# Altium PCB PCB.PcbDoc (part 3 of 4)
Units mm, origin at the board's own origin, x right, y up, seen from the top; angles counter-clockwise.
Board outline 90.6 x 67.8 mm, 6 copper layers (Component Side, GND, Inner Layer 1, V+, V-, Bottom Side), stack 1.613 mm thick; 407 components, 232 nets, 1320 pads, 392 vias.
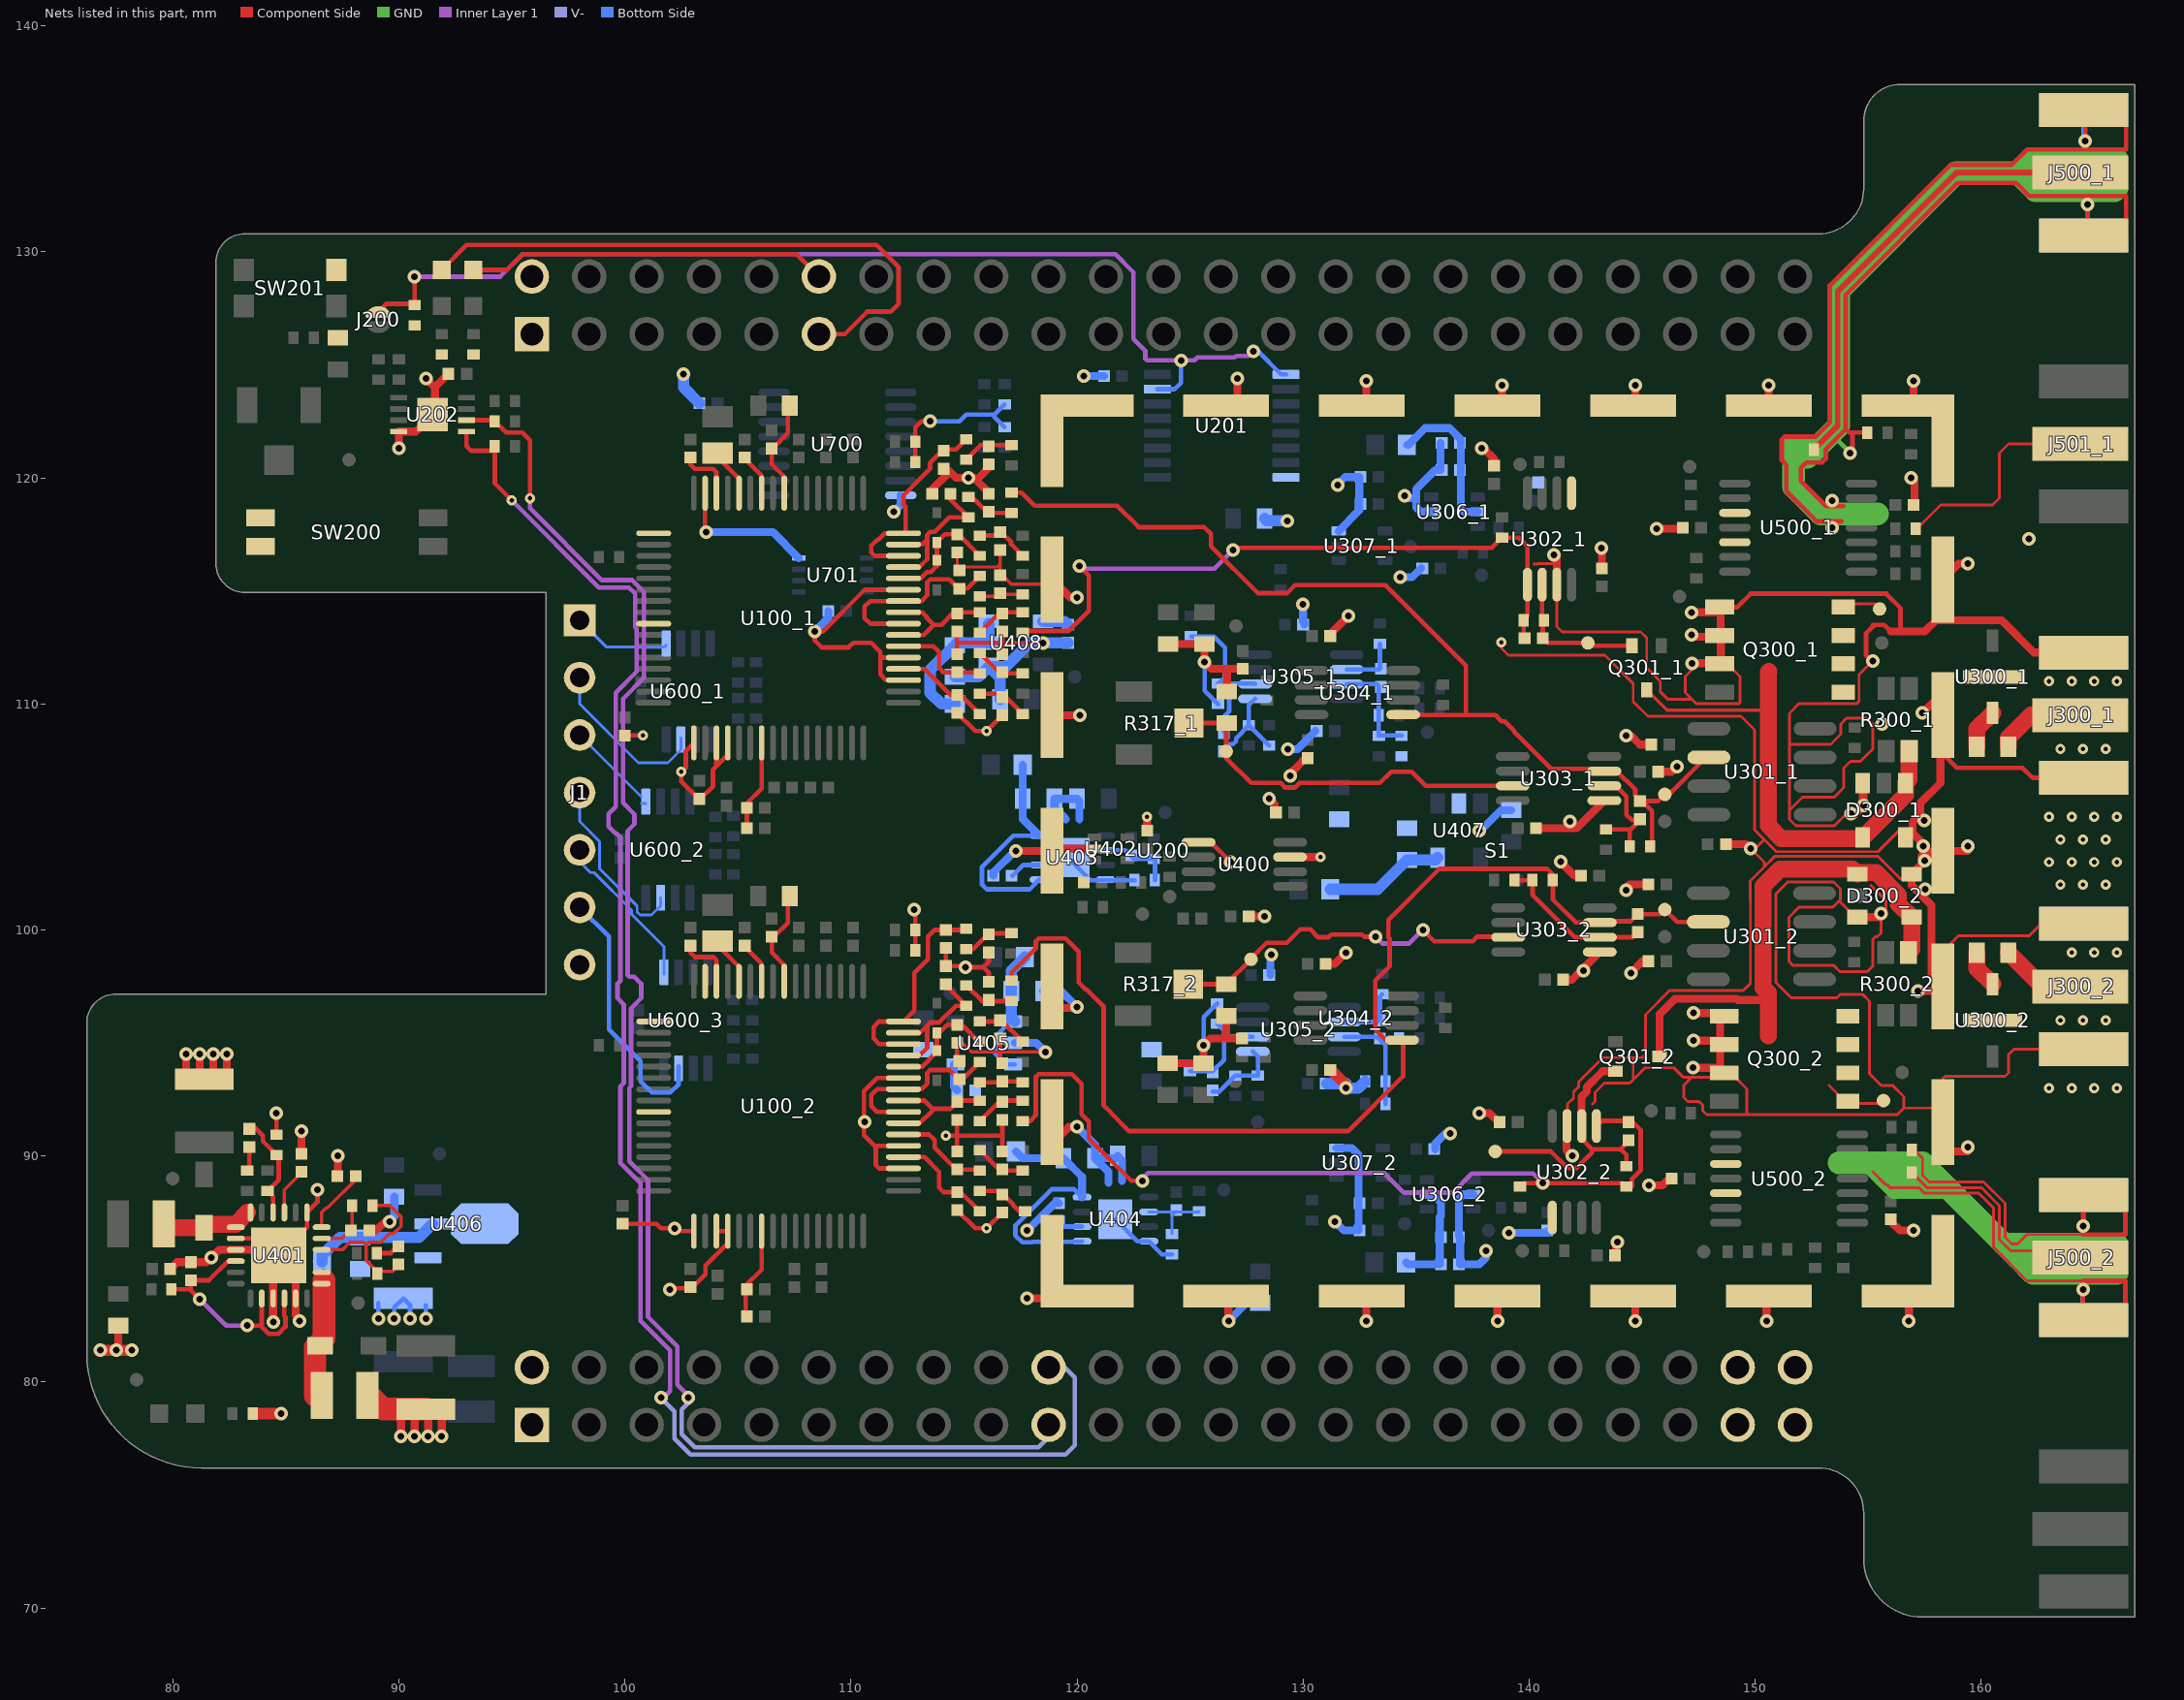
[diagram p7: the nets of this part, all layers, seen from the top]

## Via types
v1: diameter 0.6, hole 0.3, Component Side to Bottom Side, tented both sides, 306 vias
v2: diameter 0.45, hole 0.2, Component Side to Bottom Side, tented both sides, 85 vias
v3: diameter 0.6, hole 0.2, Component Side to Bottom Side, tented both sides, 1 vias

## Nets (pads, with @x,y where several pads share a name; then routed paths per layer and width w, separated by ;. In a path a pad name is that pad's centre, name@x,y a point inside that pad or via, vN(x,y) a via of type N, cw(c..) or ccw(c..) an arc to the next point about the centre after c; other vN are vias at no path point) (continued)
GND: C106_1.1 C106_2.1 C107_1.1 C107_2.1 C108_1.1 C108_2.1 C109_1.1 C109_2.1 C110_1.1 C110_2.1 C111_1.1 C111_2.1 C112_1.1 C112_2.1 C113_1.1 C113_2.1 C114_1.1 C114_2.1 C115_1.1 C115_2.1 C116_1.1 C116_2.1 C117_1.1 C117_2.1 C118_1.1 C118_2.1 C119_1.1 C119_2.1 C120_1.1 C120_2.1 C121_1.1 C121_2.1 C200.1 C201.1 C300_1.1 C300_2.1 C301_1.2 C301_2.2 C302_1.1 C302_2.1 C303_1.2 C303_2.2 C304_1.1 C304_2.1 C305_1.2 C305_2.2 C306_1.1 C306_2.1 C307_1.2 C307_2.2 C308_1.1 C308_2.1 C309_1.2 C309_2.2 C312_1.1 C312_2.1 C315_1.1 C315_2.1 C316_1.2 C316_2.2 C317_1.1 C317_2.1 C318_1.2 C318_2.2 C319_1.1 C319_2.1 C320_1.1 C320_2.1 C321_1.1 C321_2.1 C322_1.1 C322_2.1 C323_1.1 C323_2.1 C324_1.1 C324_2.1 C325_1.1 C325_2.1 C400.1 C401.2 C402.1 C403.1 C404.2 C405.1 C406.1 C407.1 C408.1 C409.1 C410.1 C411.1 C414.2 C415.2 C417.1 C418.1 C419.1 C420.1 C421.1 C422.1 C423.1 C424.1 C425.1 C426.1 C427.1 C428.1 C431.1 C432.1 C433.1 C434.1 C500_1.1 C500_2.1 C501_1.2 C501_2.2 C700.1 C701.1 D300_1.3 D300_1.5 D300_2.3 D300_2.5 J1.7 J300_1.2 J300_1.3 J300_1.4 J300_1.5 J300_2.2 J300_2.3 J300_2.4 J300_2.5 L402.2 Q300_1.1 Q300_1.2 Q300_1.3 Q300_2.1 Q300_2.2 Q300_2.3 R114_1.1 R114_2.1 R115_1.1 R115_2.1 R200.1 R206.1 R207.1 R208.1 R310_1.1 R310_2.1 R311_1.2 R311_2.2 R406.1 R411.1 R414.1 R702.1 R703.1 S1.1 SW200.1 SW200.2 SW201.3 U100_1.3 U100_1.5 U100_1.11 U100_1.31 U100_1.33 U100_1.41 U100_1.49 U100_1.51 U100_1.52 U100_2.3 U100_2.5 U100_2.11 U100_2.31 U100_2.33 U100_2.41 U100_2.49 U100_2.51 U100_2.52 U200.801 U200.802 U200.901 U200.902 U200.943 U200.944 U200.945 U200.946 U201.8 U202.4 U202.9 U300_1.2 U300_2.2 U302_1.3 U302_1.5 U302_2.3 U302_2.5 U303_1.5 U303_2.5 U306_1.2 U306_2.2 U307_1.3 U307_2.3 U400.3 U400.5 U401.2 U401.3 U401.9 U401.11 U401.19 U401.25 U402.2 U403.4 U403.9 U404.4 U404.9 U405.2 U406.1 U407.2 U408.1 U500_1.10 U500_1.12 U500_2.10 U500_2.12 U700.8 U701.4 | length 507.8
  Component Side w0.125: C119_1.1@114.7,116.7 114.7,116 C118_1.1@114.8,115.9 114.8,116.063 116.463,116.063 116.6,116.2 ; v2(138.775,112.725) 138.775,112.45 139.075,112.15 143.35,112.15 144.6,110.9 144.6,110.1 145.25,109.45 149.375,109.45 149.975,108.85 149.975,104.425 150.4,104 ; 140.213,116.2 140.225,116.187 140.379,116.187 140.404,116.213 141.112,116.213 141.225,116.1 ; U302_1.3@141.225,115.275 141.225,113.425 141.462,113.188 144.937,113.188 145.2,112.925 145.2,111.6 145.8,111 145.8,110.538 146.125,110.212 147.188,110.212 ; U302_2.3@141.675,91.325 141.7,91.35 141.7,92.3 141.962,92.562 141.962,92.837 142.188,93.063 142.188,93.281 143.257,94.35 144.6,94.35 ; 142.8,92.3 142.913,92.413 142.913,92.813 143.325,93.225 144.45,93.225 144.6,93.375 ; v1(147.2,111.8) 147.2,111.716 147.3,111.616 146.9,111.216 146.9,110.5 147.188,110.212 ; Q300_1.3@148.475,111.765 148.485,111.765 148.772,111.765 149.325,111.212 149.325,110.05 149.278,110.003 147.397,110.003 147.188,110.212 ; v1(154.247,105.15) 154.044,105.15 153.502,104.607 151.798,104.607 151.512,104.893 151.512,105.297 ; D300_2.3@154.525,100.568 154.425,100.568 153.713,101.281 ; 155.112,101.971 155.178,101.906 155.188,101.906 155.775,101.318 155.775,100.918 v1(155.575,100.718) 155.575,99.875 155.394,99.694 155.309,99.694 155.199,99.585 155.199,98.399 154.956,98.156 153.744,98.156 153.475,98.425 151.675,98.425 151.488,98.612 151.488,100.555 151.933,101 153.432,101 153.713,101.281 ; v1@155.186,111.886 154.592,111.293 154.592,110.112 154.483,110.003 151.928,110.003 151.512,109.588 151.512,108.212 ; v1(155.6,109.1) 155.2,109.1 ; D300_2.5@156.925,102.468 156.721,102.264 156.421,102.264 155.434,103.25 150.866,103.25 150.4,102.784 ; D300_1.5@156.96,104.282 156.755,104.486 156.455,104.486 155.431,103.462 150.938,103.462 150.4,104 ; S1.1@158.1,92.7 S1.1@158.3,92.5 ; S1.1@158.3,91.5 S1.1@158.3,92.5 ; S1.1@158.3,97.5 158.3,99.05 159,99.75 162.125,99.75 162.645,100.27 164.2,100.27 J300_2.5@164.525,100.27 ; J300_2.2@164.525,94.73 161.455,94.73 161.2,94.475 161.2,93.675 161.05,93.525 158.4,93.525 158.3,93.425 S1.1@158.3,92.5 ; 144.6,93.375 145.125,93.9 146.4,93.9 146.812,93.488 147.198,93.488 ; 144.6,93.375 144.6,94.35 ; 144.6,94.35 145,94.35 145.15,94.5 145.15,96.25 146.226,97.326 149.483,97.326 149.788,97.631 149.788,101.339 149.783,101.344 149.783,102.167 150.4,102.784 ; 147.198,93.488 149.106,93.488 149.623,92.971 149.623,91.833 149.625,91.831 ; 147.198,93.488 146.85,93.139 146.85,92.575 147.013,92.412 147.513,92.412 147.675,92.25 147.675,92 147.844,91.831 149.625,91.831 ; 149.625,91.831 156.288,91.831 156.575,92.118 ; 150.4,102.784 150.4,103 v1(149.8,103.6) 150,103.6 150.4,104 ; 151.512,105.297 152.093,105.877 153.502,105.877 153.788,106.163 153.788,106.175 153.912,106.3 153.912,107.162 154.213,107.463 154.656,107.463 155.2,108.007 155.2,109.1 ; 151.512,105.297 151.512,108.212 ; 151.512,108.212 153.338,108.212 153.788,108.662 153.788,109.113 154.037,109.363 154.937,109.363 155.2,109.1 ; 153.713,101.281 153.763,101.331 153.763,101.825 153.463,102.125 151.438,102.125 150.913,101.6 150.913,97.676 151.588,97.001 153.612,97.001 153.767,97.156 154.744,97.156 155.05,96.85 155.05,93.643 155.568,93.125 156.075,93.125 156.575,92.625 156.575,92.118 ; 156.575,92.118 157.918,92.118 S1.1@158.3,92.5
  Component Side w0.15: C119_2.1@114.7,95 114.932,95 115.332,94.6 116.6,94.6 v1(118.6,94.6) ; C112_1.1@116.6,116.8 116.6,116.2 C111_1.1@116.6,115.7 116.7,115.7 117.1,115.3 118.7,115.3 S1.1@118.9,115.5 ; 117.232,112.7 v1(118.5,112.7)
  Component Side w0.2: U401.2@82.64,86.35 U401.2@82.79,86.35 83.94,86.35 84.44,85.85 U401.25@84.69,85.6 85.94,86.85 U401.19@85.94,87.5 86.4,87.96 v1(86.4,88.5) ; R406.1@84.59,90.95 v1(84.59,91.89) ; C107_2.1@99.9,87 101.4,87 101.6,86.8 v1(102.2,86.8) 102.325,86.675 U100_2.49@103.05,86.675 ; C107_1.1@100,108.6 100.1,108.5 100.2,108.6 v2(100.8,108.6) ; U100_2.41@101.275,91.95 U100_2.41@101.45,91.95 ; U100_1.41@101.275,113.55 U100_1.41@101.45,113.55 ; v1(102,84.1) 102.05,84.15 102.95,84.15 103.565,84.765 103.565,85.153 103.697,85.285 103.701,85.285 104.55,86.134 U100_2.52@104.55,86.675 U100_2.51@104.05,86.675 ; U100_1.49@103.05,108.275 102.7,107.925 102.7,107.2 v2(102.5,107) 102.5,106.562 103.262,105.8 C106_1.1@103.3,105.8 103.338,105.8 103.9,106.362 103.9,107.1 104.05,107.25 ; U100_1.31@103.55,119.325 103.55,117.65 v1(103.6,117.6) ; U100_1.51@104.05,108.275 104.05,107.25 ; U100_1.52@104.55,108.275 104.55,107.75 104.05,107.25 ; v1(110.6,91.5) v1@110.575,91.5 ; U100_2.3@112.325,89.45 111.25,89.45 111.1,89.6 111.1,90.4 111.05,90.45 ; U100_2.5@112.325,90.45 111.05,90.45 ; U100_2.11@112.325,93.45 111.15,93.45 110.575,92.875 v1@110.575,91.5 ; U100_1.3@112.325,111.05 111.55,111.05 111.3,111.3 111.3,112.1 ; U100_1.5@112.325,112.05 111.35,112.05 111.3,112.1 ; U100_1.11@112.325,115.05 110.608,115.05 108.758,113.2 v1(108.4,113.2) 108.4,112.8 108.7,112.5 109.9,112.5 110.1,112.7 110.9,112.7 111.3,112.3 111.3,112.1 ; v1(112.8,100.9) 112.85,100.85 R115_2.1@112.85,100 R114_2.1@112.85,99.1 ; R114_1.1@112.85,120.7 R115_1.1@112.85,121.6 112.85,122.25 113.1,122.5 v1(113.5,122.5) ; v2(114.2,90.9) 114.5,90.9 114.7,90.9 ; C121_2.1@114.2,99.2 C120_2.1@114.2,98.4 115.025,98.4 v1(115.075,98.35) 115.85,98.35 ; C115_2.1@114.7,87.6 115.5,86.8 v2(116,86.8) C108_2.1@116.7,87.5 ; C116_2.1@114.7,90.2 114.7,90.9 ; C117_2.1@114.7,91.6 114.7,90.9 ; C118_2.1@114.7,94 C118_2.1@114.7,94.2 ; C119_2.1@114.7,95 114.7,94.3 C118_2.1@114.8,94.2 ; C115_1.1@114.7,109.6 115.5,108.8 v2(116,108.8) C108_1.1@116.7,109.5 ; C116_1.1@114.7,112.2 114.7,112.7 ; C117_1.1@114.7,113.2 114.7,112.7 ; C113_2.1@116.1,97.7 116.1,98.1 115.85,98.35 ; C114_2.1@116.1,99 116.1,98.6 115.85,98.35 ; C112_2.1@116.6,95.2 116.6,94.6 116.6,94.2 C111_2.1@116.7,94.1 ; C109_2.1@116.7,90.2 116.7,90.9 ; C110_2.1@116.7,91.6 116.7,90.9 ; C109_1.1@116.7,112.2 116.7,112.7 ; C110_1.1@116.7,113.2 116.7,112.7 ; 117.232,112.7 116.7,112.7 ; U400.5@125.375,103.875 125.925,103.875 v1(126.8,103) ; Q300_1.1@148.43,114.28 148.438,114.28 148.475,114.28 149.205,114.28 149.8,114.875 155.8,114.875 156.425,114.25 156.425,113.2 ; v1(155.2,111.9) 155.186,111.886 154.9,112.172 154.9,113.1 155.2,113.4 155.2,113.5 155.7,113.5 156,113.2 156.025,113.225 ; S1.1@158.3,109.5 158.3,107.8 158.925,107.175 161.825,107.175 162.27,106.73 J300_1.2@164.525,106.73 ; v1@110.575,91.5 110.575,90.925 111.05,90.45 ; 114.7,90.9 116.7,90.9 ; 114.7,112.7 116.7,112.7
  Component Side w0.35: v1(77.5,81.4) 77.59,81.49 C402.1@77.59,82.5 C402.1@77.7,82.39 ; C403.1@79.89,85 80.19,85.3 C405.1@80.8,85.3 81.5,85.3 v1(81.7,85.5) 82.05,85.85 U401.3@82.79,85.85 U401.25@84.44,85.85 ; C415.2@80.6,93.81 v1(80.6,94.5) ; C415.2@81.2,93.81 v1(81.2,94.5) ; C415.2@81.8,93.81 v1(81.8,94.5) ; C415.2@82.4,93.81 v1(82.4,94.5) ; v1(84.46,82.66) 84.44,82.66 U401.9@84.44,83.7 84.44,85.35 U401.25@84.69,85.6 85.44,84.85 U401.11@85.44,83.7 85.44,82.95 85.49,82.9 85.6,82.79 v1(85.6,82.7) ; C410.1@85.69,90.15 85.7,90.16 v1(85.7,91.1) ; C411.1@87.24,89.1 87.29,89.15 87.2,89.24 87.3,89.34 v1(87.3,90) ; C408.1@88.74,86.7 89,86.7 89.4,87.1 v1@89.41,87.1 ; 89.309,87 v1@89.41,87.1 ; v1(89.6,87.1) v1@89.41,87.1 ; C414.2@90,78.39 90.2,78.59 C414.2@90.19,78.6 ; v1(90,121.3) U202.4@90,122.05 90.75,122.05 U202.9@91.5,122.8 91.6,122.9 91.6,124 ; v1(90.1,77.6) C414.2@90.1,78.39 ; v1(90.7,77.6) 90.7,78.31 C414.2@90.99,78.6 ; v1(91.2,124.4) 91.6,124 ; v1(91.3,77.6) 91.3,78.5 91.4,78.6 C414.2@91.79,78.6 ; v1(91.9,77.6) 91.9,78.3 92,78.4 91.9,78.5 C414.2@92.1,78.7 ; C201.1@92.2,124.6 91.6,124 ; C120_1.1@113.6,119.3 113.6,119.5 114.325,120.225 114.425,120.225 ; C121_1.1@114.1,120.35 114.3,120.35 114.425,120.225 ; C113_1.1@116.1,119.35 115.55,119.9 ; C114_1.1@116.1,120.55 116.1,120.45 115.55,119.9 ; v1(117.3,103.5) S1.1@118.9,103.5 119,103.6 U402.2@120.775,103.6 ; v1(117.8,83.7) S1.1@118.8,83.7 ; S1.1@118.7,83.8 S1.1@118.8,83.7 ; S1.1@118.7,91.3 S1.1@118.8,91.4 ; S1.1@118.9,109.5 v1(120.125,109.5) ; S1.1@118.9,115.5 119.7,114.7 v1(120,114.7) ; S1.1@119.1,96.55 v1@120,96.55 ; S1.1@119.2,89.8 119.2,90.851 119.649,91.3 v1(120,91.3) ; S1.1@119.8,83.8 119.7,83.7 S1.1@119.1,83.7 ; C409.1@123.1,104.4 v2(123.1,105) ; C308_2.1@124,94.1 C309_2.2@125.6,94.1 v1(125.6,94.9) 125.9,95.2 126.5,95.2 ; C308_1.1@124.034,112.65 C309_1.2@125.634,112.65 v1(125.634,111.85) 125.934,111.55 126.534,111.55 ; C319_2.1@126.6,96.2 126.6,95.3 126.5,95.2 ; C319_1.1@126.634,110.55 126.634,111.45 126.534,111.55 ; v1(126.7,82.7) S1.1@126.7,83.6 ; S1.1@126.7,123.2 127.1,123.6 v1(127.1,124.4) ; C312_2.1@127.3,95.2 126.5,95.2 ; C312_1.1@127.334,111.55 126.534,111.55 ; C400.1@127.65,100.6 v1(128.3,100.6) ; v1(128.5,105.8) 128.75,105.55 C401.2@128.75,105.2 ; U400.3@129.425,103.225 v2(130.775,103.225) ; v1(129.425,106.825) 129.425,106.925 129.575,107.075 129.599,107.075 129.95,107.426 129.95,107.45 130.05,107.55 C306_1.1@130.2,107.55 ; C307_2.2@131.05,98.5 131.4,98.5 v1(131.9,99) ; C307_1.2@131.25,113 131.25,113.15 v1(132,113.9) ; v1(132.8,82.7) S1.1@132.8,83.6 ; S1.1@132.8,123.2 v1(132.8,124.3) ; v1(137.8,91.9) 138.25,91.9 C305_2.2@138.65,91.5 ; v1(137.9,121.3) 137.984,121.3 138.45,120.834 C304_1.1@138.45,120.584 ; v1(138.6,82.7) S1.1@138.6,83.6 ; S1.1@138.8,123.2 v1(138.8,124.1) ; C303_1.2@140.3,104.5 141.8,104.5 ; v1(141.1,116.6) 141.225,116.475 141.225,116.1 U302_1.3@141.225,115.275 ; v1(141.4,103.025) 141.4,103 142,102.4 C302_2.1@142.25,102.4 ; C303_2.2@141.5,97.8 141.9,97.8 142.3,98.2 v1(142.4,98.2) 142.4,98.3 U303_2.5@143.125,99.025 ; U302_2.3@141.65,91.293 141.65,90.25 v1(141.9,90) ; v1(141.8,104.8) 141.8,104.5 ; v1(143.2,116.9) 143.225,116.875 C305_1.2@143.225,116.05 ; U303_1.5@143.325,105.725 142.1,104.5 141.8,104.5 ; C304_2.1@143.85,85.6 143.85,86.15 v1(143.9,86.2) ; v1(144.3,101.75) 144.3,101.886 144.432,102.018 C301_2.2@145.225,102.018 ; v1(144.3,108.6) 144.5,108.6 144.9,108.2 C301_1.2@145.35,108.2 ; v1(144.5,98.1) 145.018,98.618 C300_2.1@145.225,98.618 ; v1(144.7,82.7) S1.1@144.7,83.6 ; S1.1@144.7,123.2 v1(144.7,124.1) ; v1(145.3,88.7) 145.9,88.7 ; v1@145.575,117.825 v1(145.65,117.75) C501_1.2@146.7,117.75 ; C302_1.1@145.65,107 146.3,107 v1@146.5,107.2 ; 145.9,88.7 146.218,89.018 C501_2.2@146.275,89.018 ; v1@146.5,107.2 v1@146.55,107.25 ; v1(146.55,107.225) v1@146.55,107.25 ; v1(147.175,113.05) 147.258,112.967 148.485,112.967 148.485,111.765 148.485,111.697 148.331,111.85 148.281,111.8 v1(147.2,111.8) ; v1(147.175,114.05) 148.208,114.05 148.438,114.28 Q300_1.1@148.485,114.327 ; v1(147.25,93.9) 148.217,93.9 148.392,93.725 148.45,93.783 Q300_2.2@148.45,95.053 ; v1(147.275,95.1) 148.403,95.1 Q300_2.2@148.45,95.053 ; v1(147.275,96.325) 148.448,96.325 148.45,96.323 Q300_2.2@148.45,95.053 ; Q300_1.2@148.475,113.035 148.475,114.28 Q300_1.1@148.475,114.305 ; C300_1.1@148.75,103.8 149.6,103.8 v1(149.8,103.6) ; v1(150.5,82.7) 150.5,83.4 150.7,83.6 S1.1@150.6,83.7 ; S1.1@150.6,123.2 v1(150.6,124.1) ; v1(154.247,105.15) 154.45,105.15 154.75,105.45 154.75,106.05 ; D300_2.3@154.525,100.568 155.425,100.568 v1(155.575,100.718) ; D300_1.3@154.75,106.5 154.75,106.05 ; v1(154.8,105.5) 154.8,106.1 154.75,106.05 ; C500_2.1@156,87.1 156.4,86.7 v1(157,86.7) ; 156,113.2 156.425,113.2 157.5,113.2 158,113.7 160.9,113.7 162.33,112.27 J300_1.5@164.525,112.27 ; v1(156.8,82.7) S1.1@156.8,83.6 ; v1(156.9,120) 157.05,119.85 C500_1.1@157.05,118.75 ; v1(157,124.3) 157,123.4 S1.1@157.1,123.3 ; v1(157.2,97.3) S1.1@158.1,97.3 ; v1(157.4,109.6) 157.8,110 S1.1@158.3,109.5 ; v1(157.425,103.7) v1@157.425,103.734 ; S1.1@158.192,109.108 158.192,106.492 157.31,105.61 157.31,105.132 156.96,104.782 156.96,104.282 157.45,103.791 v1@157.425,103.766 ; S1.1@158.25,97.55 157.8,98 157.8,101.093 156.925,101.968 D300_2.5@156.925,102.468 157.5,103.043 v1(157.5,103.075) v1@157.5,103.25 ; S1.1@158.3,115.5 159,116.2 v1(159.4,116.2) ; S1.1@158.334,103.25 v1@157.5,103.25 ; S1.1@158.4,90.2 v1@159.4,90.2 ; v1@159.4,103.5 S1.1@158.3,103.5 158.25,103.45 157.55,103.45 157.5,103.4 ; 114.425,120.225 114.65,120 v1(115.2,120) 115.45,120 115.55,119.9 ; S1.1@118.8,83.7 S1.1@119.1,83.7 ; S1.1@118.8,83.7 118.95,83.55 119,83.6 S1.1@119.1,83.7 ; v1@146.55,107.25 146.55,107.3 146.575,107.325 146.6,107.3 v1@146.55,107.25 ; v1@157.425,103.734 157.5,103.659 157.5,103.4 ; v1@157.425,103.734 v1@157.425,103.766 ; v1@157.425,103.734 157.3,103.859 157.316,103.875 v1@157.425,103.766 ; v1@157.5,103.25 157.35,103.25 157.5,103.4 ; v1@157.5,103.25 157.5,103.4
  Component Side w0.5: v1(76.8,81.4) v1(77.5,81.4) v1(78.2,81.4) ; 83.8,78.6 v1(84.8,78.6) ; C306_2.1@131.25,93.8 131.9,93.15 v1(131.9,93)
  Component Side w0.75: J300_2.5@164.2,100.195 J300_2.5@164.2,100.27
  Component Side w1: L402.2@88.71,79.4 89.31,78.8 C414.2@91.19,78.8
  GND w0.2: v1@102.2,86.7 v1(102.2,86.8)
  GND w0.35: v1(139.1,86.6) v1@139.2,86.5 ; v1(145.3,88.7) v1@145.5,88.7
  Bottom Side w0.2: v1(89.1,82.8) C404.2@89.1,83.5 ; v1(89.8,82.8) 89.8,83.3 C404.2@90.2,83.7 90.5,83.4 v1(90.5,82.8) ; v1(91.2,82.8) C404.2@91.2,83.4 ; v1(113.5,122.5) 114.8,122.5 115.1,122.8 116.35,122.8 ; R702.1@116.8,122.25 116.35,122.7 116.35,122.8 ; R703.1@116.8,123.25 116.35,122.8 ; U403.9@119.7,103.1 120.6,102.2 R414.1@122.55,102.2 ; U404.9@121.7,87.2 122.675,86.225 U404.4@123.175,86.225 123.75,85.65 R411.1@124.2,85.65 ; v1(125.6,94.9) 125.6,96.15 R311_2.2@126.2,96.75 ; v1@125.65,111.834 125.65,110.584 R311_1.2@126.25,109.984
  Bottom Side w0.35: v1(89.6,87.1) 89.8,87.3 C428.1@89.8,88.2 ; v1(103.6,117.6) 106.55,117.6 U701.4@107.7,116.45 ; v1(108.4,113.2) 109,113.8 C701.1@109,114.1 ; v1(111.9,118.5) 112.2,118.8 U700.8@112.2,119.225 ; C424.1@116.3,102.4 116.3,102.544 117.256,103.5 v1(117.3,103.5) ; U405.2@117.25,95 118.2,95 v1(118.6,94.6) ; v1(117.8,86.7) 119.1,88 C423.1@119.2,87.9 ; C419.1@118.5,97.3 119.3,97.3 v1(120,96.6) ; 119.5,104.9 119,105.4 C417.1@119,105.8 C433.1@120,105.8 120.1,105.7 120.1,104.9 ; v1(120,91.3) 120.8,90.5 C418.1@120.8,89.9 ; v1(120.3,124.5) C200.1@121.2,124.5 ; 121.4,88.8 121.4,89.3 C418.1@120.8,89.9 ; 122,88.9 122,89.8 C432.1@121.8,90 121.7,89.9 C418.1@120.8,89.9 ; v1(126.7,82.7) 127.5,83.5 C317_2.1@128.1,83.5 ; C315_2.1@128.55,98 128.55,98.85 v1(128.6,98.9) ; v1(129.325,108) 129.75,108 C316_1.2@130.55,108.8 ; v1(130,114.4) 130,113.65 130.1,113.55 C315_1.1@130.05,113.5 ; v1(131.4,87.1) 131.8,86.7 132.45,86.7 132.45,90.05 132.15,90.35 U307_2.3@131.475,90.35 ; U307_1.3@131.575,117.65 132.484,118.559 C320_1.1@132.484,120.034 ; v1@131.65,119.834 131.85,120.034 C320_1.1@132.484,120.034 ; C320_1.1@132.484,120.05 C320_1.1@132.484,120.034 ; C320_1.1@132.5,120.034 C320_1.1@132.484,120.034 ; v1(134.3,115.6) 134.825,115.6 C325_1.1@135.225,116 ; v1(134.5,119.2) 134.6,119.1 135,119.1 ; U306_1.2@135.675,118.5 135.2,118.5 135,118.7 135,119.1 ; C325_2.1@135.85,90.3 135.85,90.55 136.3,91 v1(136.5,91) ; C322_1.1@136.084,121.55 136.084,120.35 135.85,120.35 135,119.5 135,119.1 ; U306_2.2@137.525,88.3 137.1,88.3 136.9,88.1 136.9,86.45 136.95,86.4 136.95,85.2 137.8,85.2 138.1,85.5 v1(138.1,85.8) ; v1(137.8,104.4) 137.849,104.4 138.749,105.3 C426.1@139.2,105.3 ; v1(139.1,86.6) 140.85,86.6 C323_2.1@140.8,86.65
  Bottom Side w0.5: v1(102.6,124.6) 102.6,124 C700.1@103.3,123.3 ; C420.1@114.6,111.2 115.65,111.2 U408.1@116.1,111.65 ; C431.1@116.6,110.2 116.6,111.15 U408.1@116.1,111.65 ; C425.1@119.6,112.7 v1(118.5,112.7) 117.9,112.7 116.85,111.65 U408.1@116.1,111.65 ; C317_1.1@128.3,118.2 128.4,118.1 v1(129.3,118.1) ; C316_2.2@131.05,93.2 131.9,93.2 v1(131.9,93) 132.45,93 R310_2.1@132.75,93.3
  other v1: 159.4,90.4 157.525,101.8 159.4,103.7 157.475,104.85 162.1,117.3 131.525,119.675
  other v2: 163,93 164,93 165,93 166,93 163.5,96 164.5,96 165.5,96 164,99 165,99 166,99 163.5,102 164.5,102 165.5,102 163,103 164,103 165,103 166,103 163.5,104 164.5,104 165.5,104 163,105 164,105 165,105 166,105 163.5,108 164.5,108 165.5,108 163,111 164,111 165,111 166,111
I2C_SCL: R201.1 U200.919 U202.6 | length 70.1
  Component Side w0.2: U202.6@93,122.55 94.2,122.55 R201.1@94.25,122.5 94.75,122 95.468,122 95.8,121.668 v2(95.8,119.1)
  Inner Layer 1 w0.2: v2(95.8,119.1) 95.8,118.66 98.985,115.475 100.321,115.475 100.85,114.946 100.85,111.15 99.925,110.225 99.925,105.617 100.425,105.117 100.425,104.682 100.125,104.383 100.125,98 100.2,97.925 100.417,97.925 100.725,97.617 100.725,96.983 100.275,96.533 100.275,93.079 100.2,93.004 100.2,89.76 101.025,88.935 101.025,82.875 102.325,81.575 102.325,79.875 102.9,79.3 v1(102.8,79.3)
  V- w0.2: v1(102.8,79.3) 102.957,79.3 103,79.257 102.518,78.776 102.518,77.696 103.096,77.118 118.3,77.118 118.745,77.563 U200.919@118.745,78.105
I2C_SDA: R202.1 U200.920 U202.5 | length 74.1
  Component Side w0.2: U202.5@93,122.05 93,121.4 93.2,121.2 R202.1@94.25,121.2 ; R202.1@94.25,121.4 R202.1@94.25,121.2 ; v2(95,119) 94.25,119.75 R202.1@94.25,121.2
  Inner Layer 1 w0.2: v2(95,119) 98.85,115.15 100.186,115.15 100.45,114.886 100.45,113.392 100.525,113.317 100.525,111.425 99.6,110.5 99.6,105.453 99.275,105.128 99.275,104.583 99.583,104.275 99.625,104.275 99.8,104.1 99.8,97.742 99.675,97.617 99.675,96.983 99.95,96.708 99.95,93.214 99.8,93.064 99.8,89.7 100.7,88.8 100.7,82.7 102,81.4 102,79.6 101.7,79.3 v1(101.6,79.3)